# Allegro board DPU-C1-1.brd (continued)
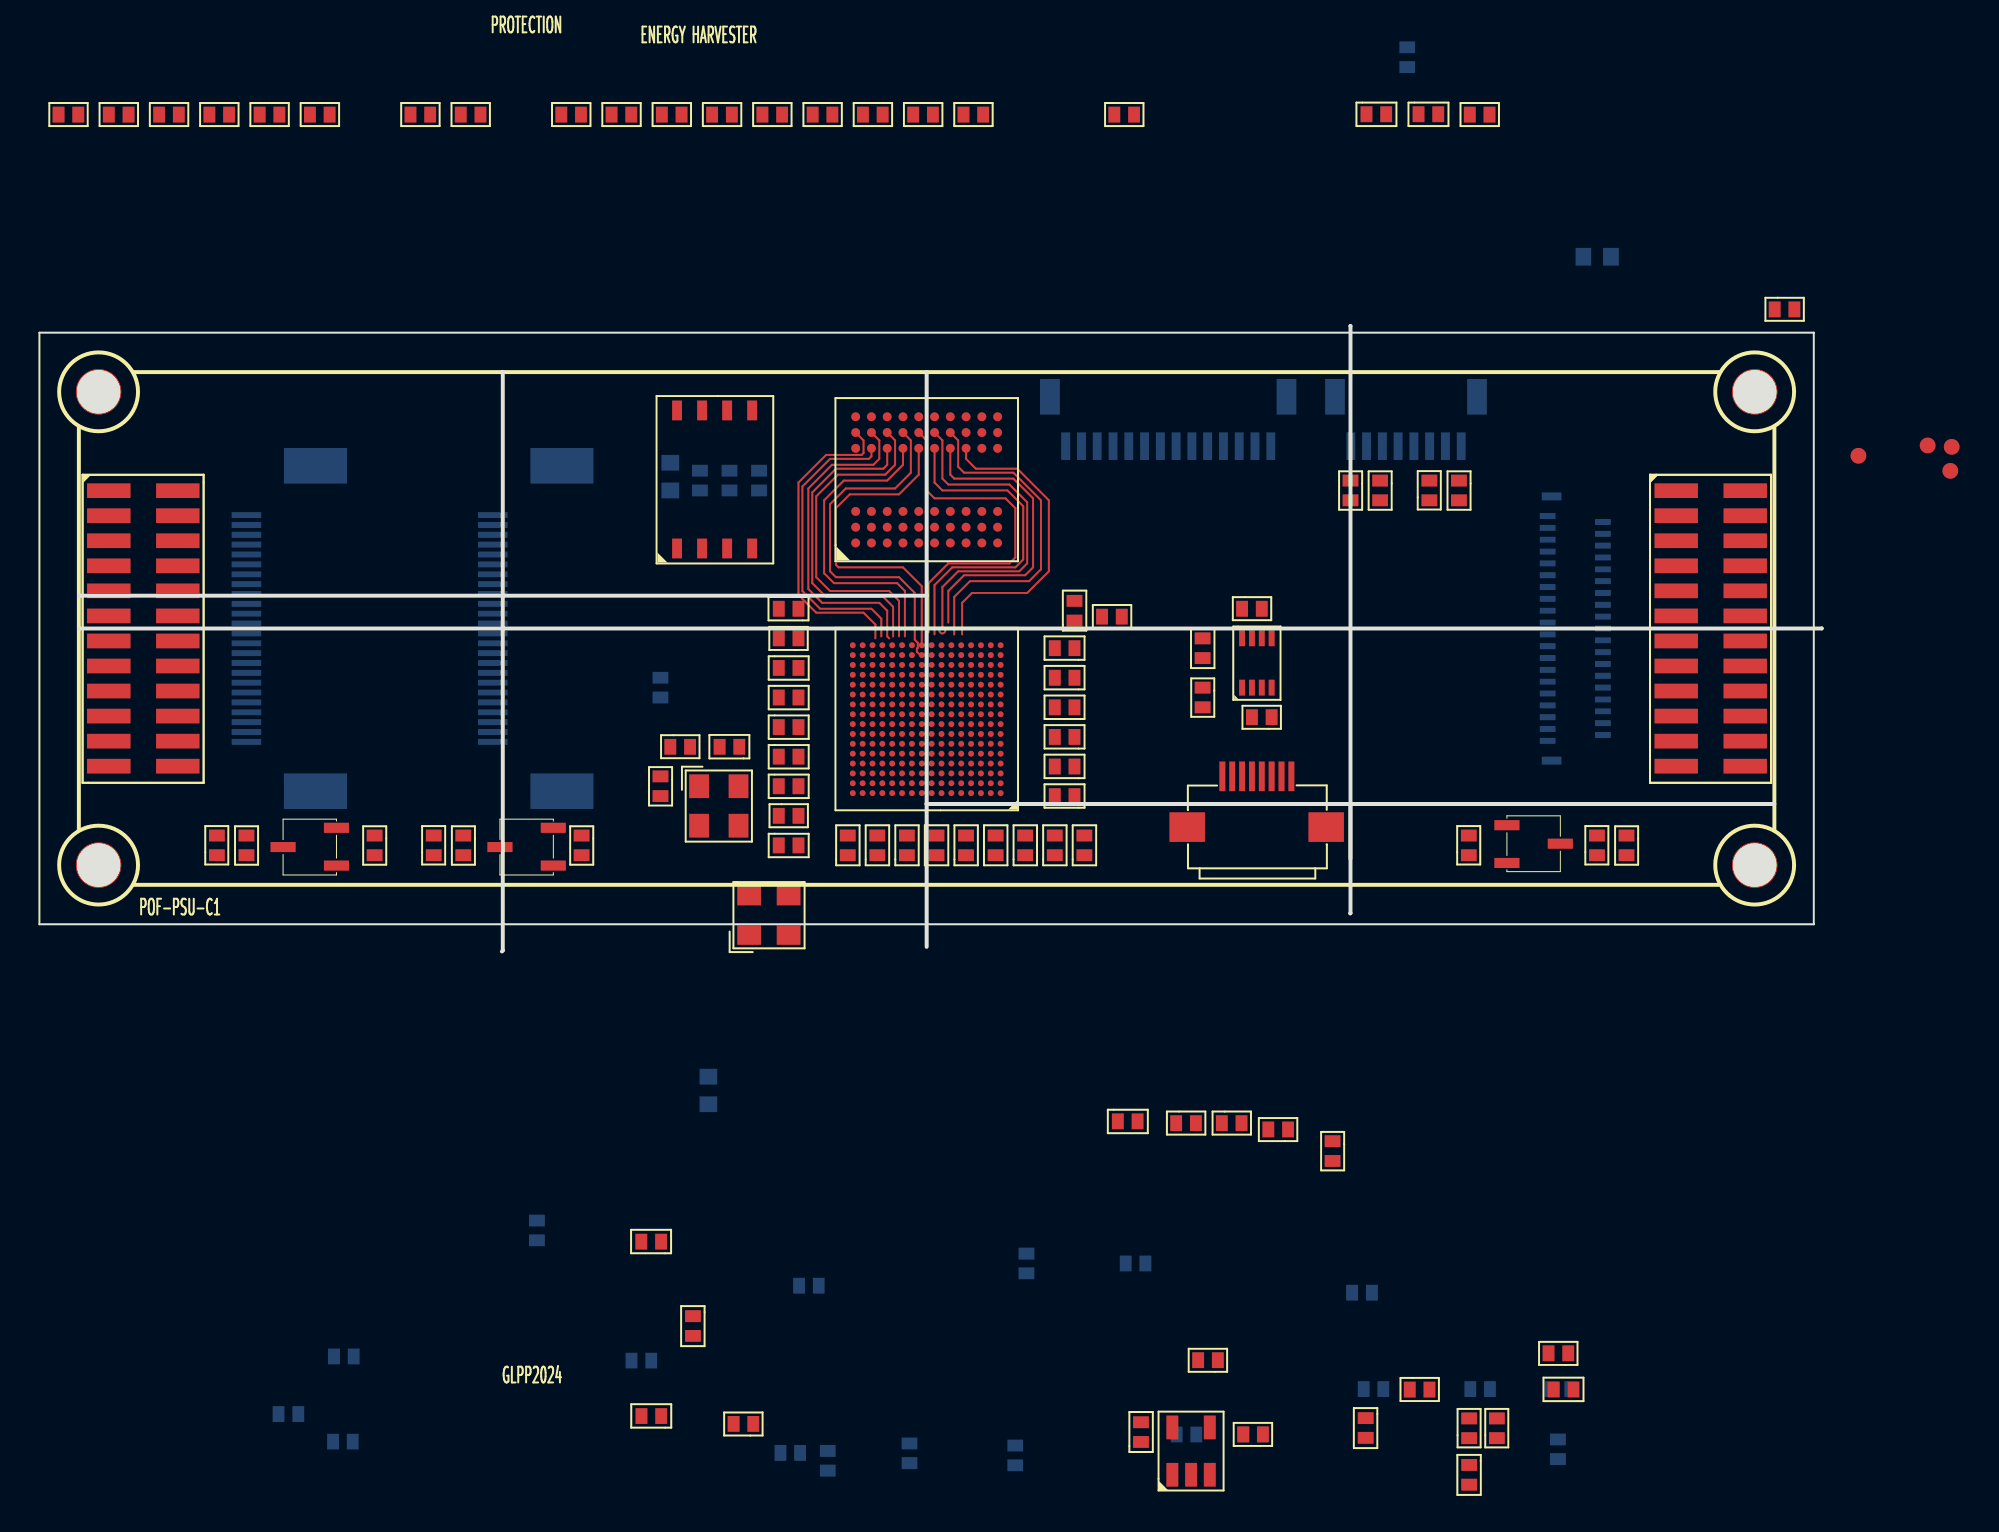
[diagram p0: board, top side]
## Footprints (pads in the part's own frame, mm; a bottom-side part is the same pattern mirrored in y, then rotated) (continued)
FH35C-39S-0D3SHW
  rect 0.3x0.8 smd: 1(5.7,0) 2(5.4,2.8) 3(5.1,0) 4(4.8,2.8) 5(4.5,0) 6(4.2,2.8) 7(3.9,0) 8(3.6,2.8) 9(3.3,0) 10(3,2.8) 11(2.7,0) 12(2.4,2.8) 13(2.1,0) 14(1.8,2.8) 15(1.5,0) 16(1.2,2.8) 17(0.9,0) 18(0.6,2.8) 19(0.3,0) 20(0,2.8) 21(-0.3,0) 22(-0.6,2.8) 23(-0.9,0) 24(-1.2,2.8) 25(-1.5,0) 26(-1.8,2.8) 27(-2.1,0) 28(-2.4,2.8) 29(-2.7,0) 30(-3,2.8) 31(-3.3,0) 32(-3.6,2.8) 33(-3.9,0) 34(-4.2,2.8) 35(-4.5,0) 36(-4.8,2.8) 37(-5.1,0) 38(-5.4,2.8) 39(-5.7,0)
  rect 0.4x1 smd: 40(6.7,0.2) 41(-6.7,0.2)
FPC-0D5-8P
  rect 0.3x1.5 smd: 1(0,0) 2(0.5,0) 3(1,0) 4(1.5,0) 5(2,0) 6(2.5,0) 7(3,0) 8(3.5,0)
  rect 1.8x1.5 smd: 9(-1.767,2.573) 10(5.283,2.573)
FPC-0D5-24P
  rect 0.3x1.5 smd: 1(0,0) 2(0.5,0) 3(1,0) 4(1.5,0) 5(2,0) 6(2.5,0) 7(3,0) 8(3.5,0) 9(4,0) 10(4.5,0) 11(5,0) 12(5.5,0) 13(6,0) 14(6.5,0) 15(7,0) 16(7.5,0) 17(8,0) 18(8.5,0) 19(9,0) 20(9.5,0) 21(10,0) 22(10.5,0) 23(11,0) 24(11.5,0)
  rect 1.8x3.2 smd: 25(-2.5,-3.5) 26(14,-3.5)
L0402_SMT
  rect 0.6x0.8 smd: 1(0,0) 2(1,0)
LED0402_SMT
  rect 0.6x0.8 smd: 1(0,0) 2(1,0)
R0402_SMT
  rect 0.6x0.8 smd: 1(0,0) 2(1,0)
SMD2520-4P
  rect 1.2x1 smd: 1(-1,-1.04) 2(1,-1.04) 3(1,0.96) 4(-1,0.96)
SMD_CONN_2X12P_1D27
  rect 0.74x2.2 smd: 1(0,-3.5) 2(1.27,-3.5) 3(2.54,-3.5) 4(3.81,-3.5) 5(5.08,-3.5) 6(6.35,-3.5) 7(7.62,-3.5) 8(8.89,-3.5) 9(10.16,-3.5) 10(11.43,-3.5) 11(12.7,-3.5) 12(13.97,-3.5) 13(13.97,0) 14(12.7,0) 15(11.43,0) 16(10.16,0) 17(8.89,0) 18(7.62,0) 19(6.35,0) 20(5.08,0) 21(3.81,0) 22(2.54,0) 23(1.27,0) 24(0,0)
SOP-8-208MIL
  rect 0.5x1 smd: 1(0,-7) 2(1.27,-7) 3(2.54,-7) 4(3.81,-7) 5(3.81,0) 6(2.54,0) 7(1.27,0) 8(0,0)
SOT-23-3
  rect 0.51x1.27 smd: 1(0.476,0.434) 2(2.391,0.434) 3(1.415,3.142)
SOT-23-5
  rect 1.2x0.6 smd: 1(0,0) 2(0,-0.95) 3(0,-1.9) 4(2.4,-1.9) 5(2.4,0)
TP_SMD_CIR_0D8_NP
  round 0.8 smd: 1(0,0)
UDFN-8-2X3
  rect 0.3x0.8 smd: 1(0,-2.5) 2(0.5,-2.5) 3(1,-2.5) 4(1.5,-2.5) 5(1.5,0) 6(1,0) 7(0.5,0) 8(0,0)
unnamed
  round 2.3 hole 2.2 unplated: (0,0)
VFBGA-60
  round 0.45 smd: A1(-3.2,3.6) A2(-2.4,3.6) A3(-1.6,3.6) A7(1.6,3.6) A8(2.4,3.6) A9(3.2,3.6) B1(-3.2,2.8) B2(-2.4,2.8) B3(-1.6,2.8) B7(1.6,2.8) B8(2.4,2.8) B9(3.2,2.8) C1(-3.2,2) C2(-2.4,2) C3(-1.6,2) C7(1.6,2) C8(2.4,2) C9(3.2,2) D1(-3.2,1.2) D2(-2.4,1.2) D3(-1.6,1.2) D7(1.6,1.2) D8(2.4,1.2) D9(3.2,1.2) E1(-3.2,0.4) E2(-2.4,0.4) E3(-1.6,0.4) E7(1.6,0.4) E8(2.4,0.4) E9(3.2,0.4) F1(-3.2,-0.4) F2(-2.4,-0.4) F3(-1.6,-0.4) F7(1.6,-0.4) F8(2.4,-0.4) F9(3.2,-0.4) G1(-3.2,-1.2) G2(-2.4,-1.2) G3(-1.6,-1.2) G7(1.6,-1.2) G8(2.4,-1.2) G9(3.2,-1.2) H1(-3.2,-2) H2(-2.4,-2) H3(-1.6,-2) H7(1.6,-2) H8(2.4,-2) H9(3.2,-2) J1(-3.2,-2.8) J2(-2.4,-2.8) J3(-1.6,-2.8) J7(1.6,-2.8) J8(2.4,-2.8) J9(3.2,-2.8) K1(-3.2,-3.6) K2(-2.4,-3.6) K3(-1.6,-3.6) K7(1.6,-3.6) K8(2.4,-3.6) K9(3.2,-3.6)

## Nets
GND: C10.1 C11.1 C12.1 C13.1 C14.2 C22.2 C23.2 C24.1 C25.1 C26.1 C27.1 C28.1 C29.1 C32.1 C33.1 C36.1 C37.1 C38.1 C39.1 C40.1 C41.1 C42.2 C43.2 C44.2 C45.1 C46.1 C47.1 C49.1 C50.1 C51.2 C52.1 C53.1 C54.1 C55.2 C56.2 C57.2 C58.1 C59.1 C60.1 C61.1 C62.1 C63.2 C64.1 C65.1 C66.2 C67.2 C68.2 C69.1 C70.1 C71.1 C72.1 C73.1 C74.1 C75.1 C76.2 C77.1 J1.3 J1.9 J1.10 J2.13 J2.14 J3.4 J3.5 J3.12 J3.30 J3.33 J3.36 J3.39 J3.40 J3.41 J4.2 J4.15 J4.24 J4.25 J4.26 J8.2 J8.15 J8.24 J8.25 J8.26 J9.3 J9.4 J9.7 J9.10 J9.15 J9.18 J9.21 J9.22 J10.3 J10.14 J10.15 J10.16 J11.4 J11.5 J11.6 J11.8 J11.9 J11.10 Q2.2(EMITTER) Q3.2(EMITTER) Q4.2(EMITTER) R14.2 R17.1 R23.2 R57.2 R70.2 U3.4 U4.2 U6.A1 U6.A3 U6.B9 U6.C1 U6.D9 U6.E1 U6.F1 U6.K1 U7.A1 U7.A8 U7.A10 U7.A13 U7.A16 U7.B8 U7.B10 U7.B14(VSSSD#B14) U7.C3 U7.C6 U7.C9 U7.C10 U7.D3 U7.D8 U7.D14 U7.E7 U7.E8 U7.F3 U7.F12 U7.G1 U7.G2 U7.G5 U7.G8 U7.H8 U7.H9 U7.J3 U7.J7 U7.J8 U7.J9 U7.J14 U7.L13 U7.M5 U7.N7 U7.P13 U7.T1 U7.T16 U8.4 Y1.2 Y2.2
P1V5: C13.2 C22.1 C70.2 C74.2 J4.10 J8.10 U4.5(OUT)
A0: U6.J8 U7.P6
A1: U6.J9 U7.P7
A2: U6.K7 U7.L8
A3: U6.K8 U7.L9
A4: U6.K2 U7.N8
A5: U6.K3 U7.N9
A6: U6.J1 U7.M9
A7: U6.J2 U7.M8
A8: U6.J3 U7.R5
A9: U6.H1 U7.P5
A10: U6.J7 U7.R8
A11: U6.H2 U7.P8
A12: U6.H3 U7.T4
A13: U6.F7 U7.P9
BA0: U6.H8 U7.M10
BA1: U6.H9 U7.N10
CAS: U6.G8 U7.P11
CKE: U6.G1 U7.T12
CKN: R59.1 U6.G3 U7.N3
CKP: R59.2 U6.G2 U7.P3
CS: U6.H7 U7.T3
DONE: U7.B16
DPU_UART_RX: J2.1
DPU_UART_TX: J2.2
DQ0: U6.A8 U7.R1
DQ1: U6.B7 U7.R2
DQ2: U6.B8 U7.R3
DQ3: U6.C7 U7.T2
DQ4: U6.C8 U7.R10
DQ5: U6.D7 U7.T10
DQ6: U6.D8 U7.R9
DQ7: U6.E7 U7.T9
DQ8: U6.E3 U7.R4
DQ9: U6.D2 U7.P4
DQ10: U6.D3 U7.T5
DQ11: U6.C2 U7.R6
DQ12: U6.C3 U7.T6
DQ13: U6.B2 U7.R7
DQ14: U6.B3 U7.T7
DQ15: U6.A2 U7.T8
DVP_D0: J4.19 U7.J5
DVP_D1: J4.21 U7.J1
DVP_D2: J4.22 U7.J2
DVP_D3: J4.20 U7.K1
DVP_D4: J4.18 U7.K2
DVP_D5: J4.16 U7.K4
DVP_D6: J4.14 U7.K3
DVP_D7: J4.12 U7.K6
DVP_HSYNC: J4.9 U7.H1
DVP_MCLK: J4.13 R26.2
DVP_PCLK: J4.17 U7.J6
DVP_PWDN: J4.8 U7.H3
DVP_RST: J4.6 U7.H4
DVP_SCL: J4.5 R12.2 U7.H5
DVP_SDA: J4.3 R11.2 U7.H6
DVP_VSYNC: J4.7(VSYNC) U7.H2
FPGA_UART_RX: U7.H16
FPGA_UART_TX: U7.H15
HOLD: R62.2 U7.K12 U8.7
IAM_ALIVE: U7.H14
IAM_ALIVE_EXT: J2.15
INIT_N: U7.D11
IO1: J2.7
IO2: J2.8
IO3: J2.17
IO4: J2.9
IO5: J2.24
IO6: J2.23
IO7: J2.18
IO_LED_1: R54.1 U7.E6
IO_LED_2: R55.1 U7.E4
IO_LED_3: R64.1 U7.E5
IO_P5V0_SHDN: U7.H10
IO_P5V0_SHDN_EXT: J2.10
IR_5V0: FB32.2 J3.1 J3.2 J3.3(VDD50#3)
IR_D0: J3.13 U7.P15
IR_D1: J3.14 U7.P16
IR_D2: J3.15 U7.M14
IR_D3: J3.16 U7.N14
IR_D4: J3.17 U7.N16
IR_D5: J3.18 U7.N15
IR_D6: J3.19 U7.M12
IR_D7: J3.20 U7.M11
IR_D8: J3.21 U7.L11
IR_D9: J3.22 U7.L10
IR_D10: J3.23 U7.M13
IR_D11: J3.24 U7.L12
IR_D12: J3.25 U7.M16
IR_D13: J3.26 U7.M15
IR_HSYNC: J3.28 U7.P14
IR_PCLK: J3.29 U7.R15
IR_UART_RX: J3.6 U7.R16
IR_UART_TX: J3.7 U7.T15
IR_VSYNC: J3.27 U7.N13
JTAG_EN: J1.8 R17.2 R18.2 U7.D10
LD_PWR_EN: U7.H11
LD_PWR_EN_EXT: J2.16
LDM: U6.F8 U7.R13
LDQS: U6.E8 U7.R12
MCLK: R22.1 U7.C16
MCSN: R19.1 U3.1 U7.C15
MD0: U3.5 U7.C14
MD1: U3.2 U7.D16
MD2: U3.3(W#/SIO2) U7.D15
MD3: U3.7 U7.D12
MIPI1_CLK+: J3.31 U7.D1
MIPI1_CLK-: J3.32 U7.D2
MIPI1_D0+: J3.34 U7.E1
MIPI1_D0-: J3.35 U7.E2
MIPI1_D1+: J3.37 U7.C1
MIPI1_D1-: J3.38 U7.C2
MIPI2_CLK+: J8.16 U7.A5
MIPI2_CLK-: J8.18 U7.B5
MIPI2_D0+: J8.20 U7.A4
MIPI2_D0-: J8.22 U7.B4
MIPI2_D1+: J8.12 U7.A6
MIPI2_D1-: J8.14 U7.B6
MIPI_MCLK: J8.13 R68.2
MIPI_PWDN: J8.8
MIPI_RST: J8.6
MIPI_SCL: J8.5 R66.2 U7.L2
MIPI_SDA: J8.3 R67.2 U7.L1
P1012: FB9.2 FB10.2 FB11.2 FB12.2 FB13.2 FB14.2 FB15.2 FB16.1 J9.11 J9.12 J9.13 J9.14
P1818: C12.2 C23.1 C24.2 C25.2 C26.2 C27.2 C28.2 C29.2 C32.2 C33.2 C36.2 C37.2 C38.2 C39.2 C40.2 C41.2 C45.2 C46.2 C47.2 C49.2 C52.2 C54.2 C64.2 C65.2 C66.1 C69.2 C71.2 C75.2 C76.1 C77.2 FB17.2 FB18.1 FB19.1 FB20.1 FB21.1 FB22.1 FB23.1 FB24.1 FB25.1 J1.2 J4.11 J8.11 J9.8 J9.9 J9.16 J9.17 R11.1 R12.1 R18.1 R19.2 R21.1 R24.1 R25.1 R56.2 R60.1 R61.1 R62.1 R66.1 R67.1 U3.8 U4.1 U4.3 U7.B11 U7.B13 U7.C8 U7.D13 U7.E3 U7.F5 U7.F7 U7.F8 U7.F13 U7.G7 U7.J4 U7.J13 U7.K8 U7.K10 U7.M6 U7.N5 U7.N6 U7.P12 U8.8 Y2.4(VCC)
P2833: C14.1 D11.2 D12.2 D13.2 FB26.1 FB27.1 FB28.1 FB29.1 J2.11 J2.12 J9.5 J9.6 J9.19 J9.20 R13.2 Y1.4(VCC)
P3333: FB33.2
P5050: FB32.1 FB34.2 J9.1 J9.2 J9.23 J9.24
PROGRAM_N: J1.1 U7.C12
RAS: U6.G9 U7.P10
SPI1_MISO: J2.20 TP11.1(TP)
SPI1_MOSI: J2.22 TP9.1(TP)
SPI1_NSS: J2.19 TP12.1(TP)
SPI1_SCK: J2.21 TP10.1(TP)
SPI2_MISO: J2.5
SPI2_MOSI: J2.3
SPI2_NSS: J2.6
SPI2_SCK: J2.4
SPI_CS: R60.2 U7.J16 U8.1
SPI_SCK: U7.J15 U8.6
SPI_SI: U7.J12 U8.5
SPI_SO: U7.J11 U8.2
SYS_CLK: R58.2 U7.D4
TCK: J1.7 R23.1 U7.F14
TDI: J1.5 R24.2 U7.F11
TDO: J1.4 R25.2 U7.E14
TMS: J1.6 R21.2 U7.E11
UDM: U6.F2 U7.T13
UDQS: U6.E2 U7.T11
UV_PWR_EN: J11.7 R69.2 R70.1
WE: U6.G7(WE#) U7.R11
WP: R61.2 U7.K11 U8.3(W\P\)
N760129: C10.2 FB26.2 J4.4
N760503: C11.2 FB27.2 J4.23
N762812: R13.1 R14.1 Y1.1
N763219: R26.1 R68.1 Y1.3
N829216: C51.1 FB17.1 U7.L14
N833969: C53.2 FB16.2 U7.C5 U7.C7
N839601: C50.2 FB15.1 U7.A2 U7.C4
N861666: C55.1 FB18.2 U6.A9
N861672: C56.1 FB19.2 U6.K9
N861678: C57.1 FB20.2 U6.F9
N900708: R22.2 U3.6
N918097: C62.2 FB21.2 U6.A7
N918103: C61.2 FB22.2 U6.B1
N918109: C60.2 FB23.2 U6.C9
N918115: C59.2 FB24.2 U6.D1
N918127: C58.2 FB25.2 U6.E9
N919655: C63.1 FB9.1 U7.B15
N987486: D11.1(CATHODE) R52.2
N987506: Q2.3 R52.1
N987528: Q2.1 R54.2
N987589: Q3.1 R55.2
N989242: Q3.3 R53.1
N989272: D12.1(CATHODE) R53.2
N990170: R56.1 R57.1 Y2.1
N990230: R58.1 Y2.3
N991860: C42.1 FB10.1 U7.J10
N991866: C44.1 FB11.1 U7.D9
N991872: C43.1 FB12.1 U7.D7
N991878: C67.1 FB13.1 U7.H7
N991884: C68.1 FB14.1 U7.K9
N1034317: Q4.1 R64.2
N1034392: Q4.3 R65.1
N1034422: D13.1(CATHODE) R65.2
N1052103: C72.2 FB29.2 J8.23
N1052756: C73.2 FB28.2 J8.4
N1368839: FB33.1 FB34.1 J11.1 J11.2 J11.3(VBAT+#3) R69.1

Pads without a net: J3 8 9 10 11; J4 1; J8 1 7 9 17 19 21; J10 1 2 4 5 6 7 8 9 10 11 12 13; U4 4; U6 F3; U7 A3 A7 A9 A11 A12 A14 A15 B1 B2 B3 B7 B9 B12 C11 C13 D5 D6 E9 E10 E12 E13 E15 E16 F1 F2 F4 F6 F9 F10 F15 F16 G3 G4 G6 G9 G10 G11 G12 G13 G14 G15 G16 H12 H13 K5 K7 K13 K14 K15 K16 L3 L4 L5 L6 L7 L15 L16 M1 M2 M3 M4 M7 N1 N2 N4 N11 N12 P1 P2 R14 T14

## Via types
v1: diameter 0.4, hole 0.2, TOP to BOTTOM, 1 via

## Routing (per net, layer and track width the routed paths; a pad name or vN(x,y) marks a point on that pad's centre or on a via; arc(x,y) is an arc through that point)
A13: length 17
  TOP w0.1: 45.4,16.08 45.4,18.58 46.3,19.48 49.5,19.48 49.9,19.88 49.9,22.58 49.1,23.38 45.8,23.38 45.4,23.78 U6.F7
CAS: length 17.2
  TOP w0.1: U6.G8 46.6,25.92 46.6,24.58 46.9,24.28 49.4,24.28 50.8,22.88 50.8,19.38 50.2,18.78 47.2,18.78 46.4,17.98 46.4,16.08
CS: length 15.9
  TOP w0.1: 46.8,16.08 46.8,17.68 47.3,18.18 50.1,18.18 51.2,19.28 51.2,22.88 49.6,24.48 47.5,24.48 47,24.98 U6.H7
DQ0: length 16
  TOP w0.1: U6.A8 41.8,25.92 41.8,25.28 41.7,25.18 39.9,25.18 38.5,23.78 38.5,18.08 39.4,17.18 41.8,17.18 42.4,16.58 42.4,15.88
DQ1: length 15.3
  TOP w0.1: U6.B7 42.2,25.11 42.07,24.98 40.1,24.98 38.7,23.58 38.7,18.28 39.6,17.38 42.2,17.38 42.7,16.88 42.7,15.98
DQ2: length 16.7
  TOP w0.1: U6.B8 42.6,25.92 42.6,24.98 42.3,24.68 40.2,24.68 39,23.48 39,18.38 39.7,17.68 42.6,17.68 43,17.28 43,15.98 43.1,15.88
DQ3: length 15.9
  TOP w0.1: 43.3,15.98 43.3,17.48 42.8,17.98 39.9,17.98 39.2,18.68 39.2,23.28 40.4,24.48 42.8,24.48 43,24.68 U6.C7
DQ4: length 17.1
  TOP w0.1: 43.6,15.98 43.6,17.78 43.1,18.28 40.1,18.28 39.4,18.98 39.4,23.08 40.5,24.18 42.9,24.18 43.4,24.68 43.4,25.92 U6.C8
DQ5: length 16.1
  TOP w0.1: U6.D7 43.8,24.68 43,23.88 40.8,23.88 39.8,22.88 39.8,19.18 40.3,18.68 43.5,18.68 43.9,18.28 43.9,15.98
DQ6: length 18.5
  TOP w0.1: U6.D8 44.2,25.92 44.2,24.28 43.4,23.48 40.9,23.48 40.1,22.68 40.1,19.28 40.4,18.98 43.6,18.98 44.4,18.18 44.4,15.81 44.55,15.65 44.55,15.4 44.51,15.36 44.51,15.2 44.68,15.03 U7.R9
DQ7: length 16.9
  TOP w0.1: U6.E7 44.6,24.18 43.6,23.18 41.1,23.18 40.4,22.48 40.4,19.61 40.53,19.48 43.8,19.48 44.76,18.52 U7.T9
LDM: length 17.4
  TOP w0.1: U6.F8 45.8,25.92 45.8,23.98 46.1,23.68 49.2,23.68 50.1,22.78 50.1,19.68 49.7,19.28 46.6,19.28 45.8,18.48 v1(45.8,16.28)
LDQS: length 17.9
  TOP w0.1: 45.1,16.18 45.1,18.68 46.1,19.68 49.2,19.68 49.5,19.98 49.5,22.48 49,22.98 45.4,22.98 45,23.38 45,25.92 U6.E8
Net_198: length 49.9
  VCC w0.13: 81.2,10.66 80.78,10.66 80.77,10.66 80.56,10.66 80.04,11.18 ; 81.29,12.15 80.2,12.15 77.72,14.63 74.15,14.63
  VCC w0.15: 80.04,11.18 79.52,11.18 78.5,12.21 76.38,12.21 75.68,11.51 73.91,11.51 73.38,12.04 ; 80.89,13.15 80.27,13.15 80.27,13.14 79.98,13.14 77.49,15.64 77.1,15.64 77.09,15.63 74.15,15.63 ; 74.97,13.9 77.56,13.9 79.81,11.64 80.39,11.64 80.61,11.43 81.31,11.43
  VCC w0.4: 55.46,18.75 54.01,18.75 53.4,19.36 53.4,21.18 53.64,21.42 ; 55.46,18.75 60.39,18.75 61.2,19.56 ; 55.46,18.75 55.46,15.13 56.6,14 ; 54.43,21.7 53.91,21.7 53.64,21.42 ; 53.64,21.42 53.93,21.13 54.43,21.13
Net_203: length 26.1
  VCC w0.4: 33.27,15.13 33.27,15.65 32.66,15.65 32.66,15.13 ; 33.27,15.13 33.27,15.13 32.66,15.13 ; 33.27,15.13 33.27,14.01 ; 33.27,14.01 33.06,14.01 32.66,14.41 32.66,15.13 ; 33.27,14.01 33.27,12.35 ; 31.64,6.81 31.64,6.25 31.65,6.24 32.18,6.24 32.2,6.25 32.2,6.8 32.19,6.81 ; 31.64,6.81 31.64,7.41 32.04,7.81 32.19,7.81 ; 31.64,6.81 32.19,6.81 ; 33.27,12.35 35.75,12.35 36.26,12.85 43.07,12.85 ; 33.27,12.35 33.27,8.9 32.19,7.81 ; 32.19,7.81 32.19,6.81
Net_204: length 13.1
  VCC w0.4: 20.13,15.4 20.92,15.4 21.64,16.12 ; 29.22,15.15 29.22,15.68 26.98,17.91 24.64,17.91 22.85,16.12 21.64,16.12 ; 20.13,16.12 21.64,16.12
Net_214: length 29.6
  VCC w0.12: 54.33,19.83 54.33,19.84
  VCC w0.3: 63.66,19.35 62.45,20.56 56.51,20.56 56,20.05 55.12,20.05 ; 63.66,19.35 63.42,19.12 63.42,16.22 64.92,14.72 64.92,10.74 ; 63.66,19.35 65.62,19.35 66.04,19.76
  VCC w0.4: 66.04,19.76 66.43,20.16 66.43,21.38 67.04,21.99 68.9,21.99 69.34,22.43 69.34,23 68.83,23.51 ; 54.56,19.61 54.81,19.61 55.12,19.92 55.12,20.05 54.54,20.05 54.33,19.84 54.56,19.61
Net_225: length 55.3
  VCC w0.4: 4.93,16.98 6.08,16.98 6.78,17.69 ; 27.8,19.78 28.65,19.78 29.03,20.17 29.04,20.17 29.9,21.03 ; 27.8,19.78 27.74,19.72 ; 27.8,19.78 28.57,20.55 28.68,20.55 29.16,21.03 29.9,21.03 ; 39.9,21.93 40.21,21.93 40.71,21.43 40.71,20.86 40.24,20.39 39.86,20.39 ; 39.9,21.93 39.9,20.95 39.87,20.92 ; 39.9,21.93 39.21,21.93 ; 38.38,21.93 35.9,21.93 35.4,21.43 30.3,21.43 29.9,21.03 ; 38.38,21.93 38.38,20.79 38.78,20.39 39.24,20.39 ; 38.38,21.93 39.21,21.93 ; 29.9,21.03 29.93,21 29.93,20.32 28.82,19.21 28.25,19.21 27.74,19.72 ; 27.74,19.72 25.83,21.64 16.32,21.64 14.58,19.9 8.99,19.9 6.78,17.69 ; 39.21,21.93 39.24,21.9 39.24,20.92 ; 6.78,17.69 6.12,18.34 4.93,18.34 ; 6.78,17.69 5.21,17.69
Net_229: length 68.9
  VCC w0.3: 50.97,20.11 51.64,20.78 51.64,21.25 51.28,21.61 ; 50.97,20.11 50.28,20.8 50.28,21.46 50.96,22.15 ; 50.97,20.11 50.97,20.71 50.96,20.71 50.96,21.09 ; 29.99,10.96 29.43,10.41 28.85,10.41 ; 29.99,10.96 29.41,11.55 28.84,11.55 ; 29.99,10.96 28.85,10.96
  VCC w0.4: 6.22,13.88 10.59,13.88 11.91,12.57 15.79,12.57 17.08,11.28 21.41,11.28 22.11,11.98 24.97,11.98 25.99,10.96 27.8,10.96 ; 6.22,13.88 5.57,14.53 4.93,14.53 ; 6.22,13.88 6.22,13.83 5.57,13.18 4.93,13.18 ; 6.22,13.88 5.25,13.88 ; 27.8,10.96 28.36,10.41 28.85,10.41 ; 27.8,10.96 28.38,11.55 28.84,11.55 ; 27.8,10.96 28.85,10.96 ; 50.97,20.11 50.97,19.34 50.36,18.74 40.84,18.74 39.78,17.67 31.94,17.67 31.06,16.79 31.06,11.45 30.58,10.96 29.99,10.96
Net_232: length 74
  VCC w0.1: 14.84,4.89 14.84,4.89
  VCC w0.4: 6.23,10.07 5.57,10.72 4.93,10.72 ; 6.23,10.07 6.23,10.02 5.57,9.36 4.93,9.36 ; 6.23,10.07 7.02,10.07 7.87,9.22 7.87,5.98 8.96,4.89 14.84,4.89 14.84,4.86 15.43,4.27 16.06,4.27 16.68,4.89 ; 6.23,10.07 5.2,10.07 ; 16.68,4.89 18.26,6.48 21.85,6.48 24.68,9.3 26.9,9.3 28.2,8 29.71,8 30.29,7.42 30.29,5.28 30.69,4.88 32.29,4.88 33.13,5.72 35.17,5.72 36.61,4.28 40.92,4.28 43,6.35 45.02,6.35 45.42,6.75 45.42,8.08 46.68,9.33 49.96,9.33 50.76,10.13 50.76,13.95 50.92,14.11 50.92,14.17 50.93,14.19 50.93,14.85 50.92,14.86 50.92,17.03 51.29,17.41 ; 16.68,4.89 16.09,5.48 15.43,5.48 15.16,5.21 15.16,5.21 14.84,4.89 15.5,4.89 15.5,4.89 16.68,4.89
P3333: length 221.4
  VCC w0.3: 62.5,11.01 60.71,11.01 59.7,12.02 56.32,12.02 56.3,12.04 55.82,12.04 54.92,12.95 54.92,14.12 54.42,14.61 53.78,14.61 53.56,14.83 53.56,17.2 52.47,18.29 52.47,22.76 53.17,23.46 53.17,23.5
  VCC w0.4: 65.99,9.85 66.38,10.23 67.71,10.23 68.7,9.24 ; 79.72,23.16 83.85,23.16 85.4,21.61 85.4,15.62 85.7,15.32 85.7,10.89 82.7,7.88 82.31,7.88 ; 79.72,23.16 79.68,23.11 77.73,23.11 76.01,24.83 76.01,27.08 75.34,27.75 58.72,27.75 57.82,26.85 ; 79.72,23.16 79.72,23.94 ; 43.24,20.84 44.16,20.84 44.77,20.24 ; 78.84,20.93 73.21,20.93 ; 78.84,20.93 79.69,21.78 83.27,21.78 84.05,21 84.05,15.12 82.98,14.05 82.98,10.35 82.58,9.95 82.17,9.95 81.78,9.56 80.81,9.56 80.39,9.14 79.28,9.14 78.9,8.76 77.51,8.76 76.98,9.29 76.98,10.91 77.42,11.35 78.24,11.35 ; 78.84,20.93 78.84,20.91 80.8,18.95 ; 73.21,20.93 72.61,20.32 72.61,13.24 72.98,12.87 ; 73.21,20.93 73.21,25.59 73.16,25.64 ; 68.7,8.72 68.7,9.24 ; 68.7,9.24 68.75,9.29 70.26,9.29 70.58,8.97 ; 64.33,25.59 73.12,25.59 73.16,25.64 ; 64.33,25.59 64.33,22.68 ; 64.33,25.59 63.5,26.42 60.54,26.42 58.34,24.21 56.98,24.21 ; 53.57,24.2 53.6,24.17 56.94,24.17 56.98,24.21 ; 53.57,24.2 53.57,24.42 53.17,24.82 51.59,24.82 51.48,24.7 51.48,24.13 ; 53.57,24.2 53.57,24.13 ; 76.07,7.89 73.92,7.89 72.83,8.97 71.87,8.97 ; 76.07,7.89 76.07,9.51 ; 76.07,7.89 77.38,6.58 80.83,6.58 81.69,7.44 81.86,7.44 82.31,7.88 ; 64.33,22.68 64.33,20.37 ; 64.33,22.68 64.31,22.7 63.4,22.7 ; 82.36,8.71 82.36,8.31 82.31,8.26 82.31,7.88 ; 71.87,8.97 71.84,9 71.84,10.25 ; 71.87,8.97 70.58,8.97 ; 44.77,20.24 44.35,19.81 42.33,19.81 ; 44.77,20.24 45.26,20.24 46.19,21.16 46.19,23.93 48.31,26.06 57.03,26.06 57.82,26.85 ; 44.77,20.24 43.44,20.24 ; 82.31,7.88 82.04,8.15 81.71,8.15 ; 82.31,7.88 82.75,7.44 82.96,7.44 ; 63.65,6.93 64.29,7.57 69.71,7.57 70.58,8.44 70.58,8.97 ; 63.65,6.93 58.93,6.93 58.01,7.85 56.68,7.85 ; 63.65,6.93 62.98,6.26 62.98,4.26 ; 73.16,25.64 74.45,25.64 74.83,26.02 74.83,26.55 ; 56.98,23.02 56.98,24.21 ; 57.82,26.85 57.68,26.98 57.68,27.75 ; 53.57,24.13 52.07,24.13 ; 53.57,24.13 53.57,23.9 53.17,23.5 51.93,23.5
P5050: length 48.6
  VCC w0.2: 3.47,22.76 3.05,22.33
  VCC w0.3: 33.99,4.55 33.32,3.88 26.98,3.88 26.32,4.54 22.92,4.54 21.91,3.53 8.22,3.53 2.69,9.05 2.69,21.98 3.05,22.33
WE: length 15.9
  TOP w0.1: 46.1,16.68 46.1,18.28 46.9,19.08 50,19.08 50.4,19.48 50.4,22.98 49.4,23.98 46.4,23.98 46.2,24.18 U6.G7

## Copper pours and planes (outline as drawn; the poured copper is in the pictures)
GND on GND: 4.99,28.89 4.8,29.38 85.2,29.38 85.04,28.93 84.99,28.46 85.6,26.98 87.08,26.36 87.55,26.42 88,26.58 88,6.18 87.54,6.35 87.06,6.4 85.59,5.79 84.98,4.32 85.03,3.83 85.2,3.38 4.8,3.38 4.48,5.86 2,6.18 2,26.58 2.48,26.38 3,26.32 4.46,26.92 5.06,28.38 ; 1 cut-out
Net_198 on VCC: 60.59,26.91 74.84,26.91 74.97,26.77 74.97,23.52 74.99,23.42 75.05,23.34 76.7,21.68 76.79,21.62 76.88,21.61 83.16,21.61 83.85,20.91 83.85,16.76 83.84,16.72 83.84,16.69 83.84,11.27 82.54,9.97 79.79,9.97 79.69,9.95 79.61,9.89 78.73,9.02 77.42,9.02 77.42,10.33 77.41,10.43 77.35,10.51 76.86,11 76.78,11.06 76.68,11.08 65.89,11.08 65.89,17.56 70.49,22.16 70.54,22.24 70.56,22.34 70.56,23.13 70.54,23.23 70.49,23.31 69.57,24.23 69.49,24.29 69.39,24.3 68.47,24.3 68.38,24.29 68.29,24.23 65.8,21.73 65.74,21.65 65.72,21.55 65.72,21.17 65.73,21.1 65.75,21.04 65.75,20.58 65.27,20.09 63.77,20.09 62.09,21.77 62.01,21.83 61.91,21.84 56.44,21.84 56.35,21.83 56.26,21.77 55.39,20.9 54.4,20.9 54.28,20.9 54.1,20.83 54.02,20.65 53.75,20.37 53.69,20.29 53.67,20.19 53.67,19.58 53.69,19.48 53.75,19.4 54.13,19.01 54.21,18.96 54.31,18.94 57.33,18.94 57.43,18.96 57.51,19.01 58.26,19.76 62.04,19.76 62.22,19.58 62.22,15.69 62.24,15.59 62.29,15.51 63.98,13.82 63.98,10.78 63.62,10.43 54.57,10.43 52.28,12.73 52.28,17.93 52.3,18.02 52.28,18.12 52.28,22.26 52.26,22.36 52.21,22.44 51.03,23.62 51.03,24.68 51.33,24.98 53.84,24.98 54.11,24.71 54.19,24.66 54.29,24.64 58.21,24.64 58.31,24.66 58.39,24.71 ; 2 cut-outs
Net_203 on VCC: 41.88,17.77 44.65,17.77 44.65,12.95 43.22,11.53 35.1,11.53 35,11.51 34.92,11.45 34.37,10.9 34.31,10.82 34.3,10.72 34.3,7.86 32.26,5.82 31.36,5.82 31.22,5.96 31.22,8.23 31.2,8.33 31.15,8.41 30.67,8.89 30.67,9.55 31.93,10.81 31.98,10.89 32,10.99 32,15.96 32.58,16.53 40.41,16.53 40.46,16.52 40.52,16.51 40.61,16.53 40.7,16.59 41.83,17.72
Net_204 on VCC: 24.09,19.74 26.13,19.74 27.48,18.38 27.56,18.33 27.66,18.31 29.67,18.31 29.67,14.91 29.6,14.83 19.55,14.83 19.04,15.35 19.04,18.76 23.01,18.76 23.1,18.78 23.19,18.84
Net_214 on VCC: 68.58,23.8 69.29,23.8 70.06,23.03 70.06,22.44 65.45,17.84 65.4,17.76 65.38,17.66 65.38,10.93 65.01,10.56 64.71,10.56 64.48,10.78 64.48,13.93 64.46,14.03 64.41,14.11 62.73,15.79 62.73,19.69 62.71,19.78 62.65,19.87 62.32,20.2 62.24,20.25 62.14,20.27 58.16,20.27 58.06,20.25 57.98,20.2 57.23,19.45 54.42,19.45 54.18,19.69 54.18,20.09 54.48,20.39 55.5,20.39 55.6,20.41 55.68,20.47 56.55,21.34 61.81,21.34 63.49,19.66 63.57,19.61 63.67,19.59 65.38,19.59 65.48,19.61 65.56,19.66 66.19,20.29 66.24,20.37 66.26,20.47 66.26,21.13 66.25,21.2 66.23,21.26 66.23,21.45
Net_225 on VCC: 30.99,22.93 40.45,22.93 41.32,22.06 41.32,20.59 40.49,19.77 38.11,19.77 37.31,20.57 37.23,20.62 37.13,20.64 31.75,20.64 31.65,20.62 31.57,20.57 29.82,18.82 27.77,18.82 26.41,20.17 26.33,20.22 26.23,20.24 23.98,20.24 23.88,20.22 23.8,20.17 22.9,19.27 9.7,19.27 9.6,19.25 9.52,19.2 7.01,16.69 2,16.69 2,18.72 6.45,18.72 6.55,18.74 6.63,18.79 10.45,22.61 26.34,22.61 27.33,21.61 27.42,21.56 27.51,21.54 29.49,21.54 29.59,21.56 29.67,21.61 ; 1 cut-out
Net_229 on VCC: 50.47,22.95 50.57,22.97 50.65,23.03 50.78,23.15 51.77,22.16 51.77,18.28 41.78,18.28 41.68,18.26 41.6,18.2 41.48,18.08 41.46,18.07 40.43,17.04 32.47,17.04 32.37,17.02 32.29,16.97 31.57,16.24 31.51,16.16 31.49,16.06 31.49,11.1 30.31,9.91 28.06,9.91 27.72,10.25 27.64,10.3 27.54,10.32 12.05,10.32 10.13,12.24 10.05,12.29 9.95,12.31 2.08,12.31 2,12.39 2,16.18 7.12,16.18 7.21,16.2 7.29,16.25 9.81,18.76 18.53,18.76 18.53,15.24 18.55,15.14 18.6,15.06 19.27,14.4 19.35,14.34 19.45,14.32 29.7,14.32 29.8,14.34 29.88,14.4 30.11,14.62 30.16,14.7 30.18,14.8 30.18,18.46 31.86,20.13 37.02,20.13 37.82,19.34 37.9,19.28 38,19.26 41.64,19.26 41.85,19.05 41.93,19 42.03,18.98 47.58,18.98 47.68,19 47.76,19.05 48.74,20.03 48.8,20.12 48.82,20.21 48.82,22.24 48.81,22.27 48.81,22.3 49.46,22.95 ; 1 cut-out
Net_232 on VCC: 45.16,17.77 51.77,17.77 51.77,4.5 50.65,3.38 4.8,3.38 4.48,5.86 2,6.18 2,11.8 9.85,11.8 11.76,9.89 11.84,9.83 11.94,9.81 27.44,9.81 27.77,9.48 27.85,9.42 27.95,9.41 30.16,9.41 30.16,8.79 30.18,8.69 30.24,8.61 30.71,8.13 30.71,5.86 30.73,5.76 30.79,5.68 31.08,5.39 31.16,5.34 31.25,5.32 32.36,5.32 32.46,5.34 32.54,5.39 34.73,7.58 34.78,7.66 34.8,7.76 34.8,10.61 35.21,11.02 43.33,11.02 43.43,11.04 43.51,11.09 45.08,12.67 45.14,12.75 45.16,12.85 ; 3 cut-outs
P3333 on VCC: 41.72,29.38 85.2,29.38 85.04,28.93 84.99,28.46 85.6,26.98 87.08,26.36 87.55,26.42 88,26.58 88,6.18 87.54,6.35 87.06,6.4 85.59,5.79 84.98,4.32 85.03,3.84 85.2,3.38 51.37,3.38 52.21,4.21 52.26,4.29 52.28,4.39 52.28,12.01 54.29,10 54.37,9.94 54.47,9.92 63.73,9.92 63.83,9.94 63.91,10 64.23,10.32 64.43,10.12 64.51,10.07 64.61,10.05 65.11,10.05 65.21,10.07 65.29,10.12 65.74,10.57 76.58,10.57 76.92,10.23 76.92,8.76 76.99,8.58 77.17,8.51 78.84,8.51 78.94,8.53 79.02,8.58 79.9,9.46 82.64,9.46 82.74,9.48 82.82,9.53 84.27,10.98 84.32,11.06 84.34,11.16 84.34,16.62 84.35,16.66 84.36,16.7 84.36,21.02 84.34,21.12 84.28,21.2 83.44,22.04 83.36,22.09 83.26,22.11 76.99,22.11 75.48,23.62 75.48,26.75 75.5,26.8 75.5,26.86 75.48,26.95 75.43,27.03 75.12,27.34 75.04,27.4 74.94,27.41 60.48,27.41 60.38,27.4 60.3,27.34 58.1,25.14 54.39,25.14 54.12,25.41 54.04,25.47 53.94,25.49 51.23,25.49 51.13,25.47 51.05,25.41 50.6,24.96 50.54,24.88 50.52,24.78 50.52,23.62 50.37,23.46 49.36,23.46 49.26,23.44 49.18,23.39 48.29,22.5 48.24,22.42 48.22,22.32 48.24,22.23 48.29,22.15 48.31,22.13 48.31,20.32 47.47,19.48 42.14,19.48 41.93,19.69 41.84,19.75 41.75,19.77 41.21,19.77 41.75,20.31 41.81,20.39 41.83,20.49 41.83,22.17 41.81,22.26 41.75,22.35 40.81,23.29 40.81,28.47 ; 1 cut-out
P5050 on VCC: 4.99,28.89 4.8,29.38 41,29.38 40.38,28.75 40.32,28.67 40.3,28.57 40.3,23.44 30.88,23.44 30.79,23.42 30.7,23.36 29.39,22.05 27.62,22.05 26.62,23.04 26.54,23.1 26.44,23.12 10.34,23.12 10.24,23.1 10.16,23.04 6.34,19.23 2,19.23 2,26.58 2.48,26.38 3,26.32 4.46,26.92 5.06,28.38

## Text on the board
Ref Des/Silkscreen Top: POF-PSU-C1 | NO POLARITY | PROTECTION | GLPP2024 | ENERGY HARVESTER | PHOTOVOLTAIC CELL
XSECTION_CHART: *  SURFACE | L1 TOP CONDUCTOR | *  DIELECTRIC | L2 GND CONDUCTOR | L3 VCC CONDUCTOR | L4 BOTTOM CONDUCTOR | DESIGN CROSS SECTION CHART | ___________________________ | TOTAL THICKNESS 1.0212 MM | 1-4
DIMENSION: 4 LAYERS PCB STACK, 1.0mm THINKNESS, NO IMPEDANCE MATCH DEMAND. | ANY QUESTIONS PLEASE CONTACT ME: +8613522296239 | FIGURE | FINISHED_SIZE | 0.2 | 0.9 | 1.2 | 1.8 | 2.2 | DRILL CHART: TOP to BOTTOM | ALL UNITS ARE IN MILLIMETERS | PLATED | NON-PLATED | QTY | 380 | 6 | 4 | 398 | TOTAL HOLES:
